# Altium PCB final.PcbDoc (part 2 of 2)
Units mil, origin at the board's own origin, x right, y up, seen from the top; angles counter-clockwise.
Board outline 8270 x 3385 mil, 2 copper layers (Top Layer, Bottom Layer); 240 components, 0 nets, 857 pads, 97 vias.
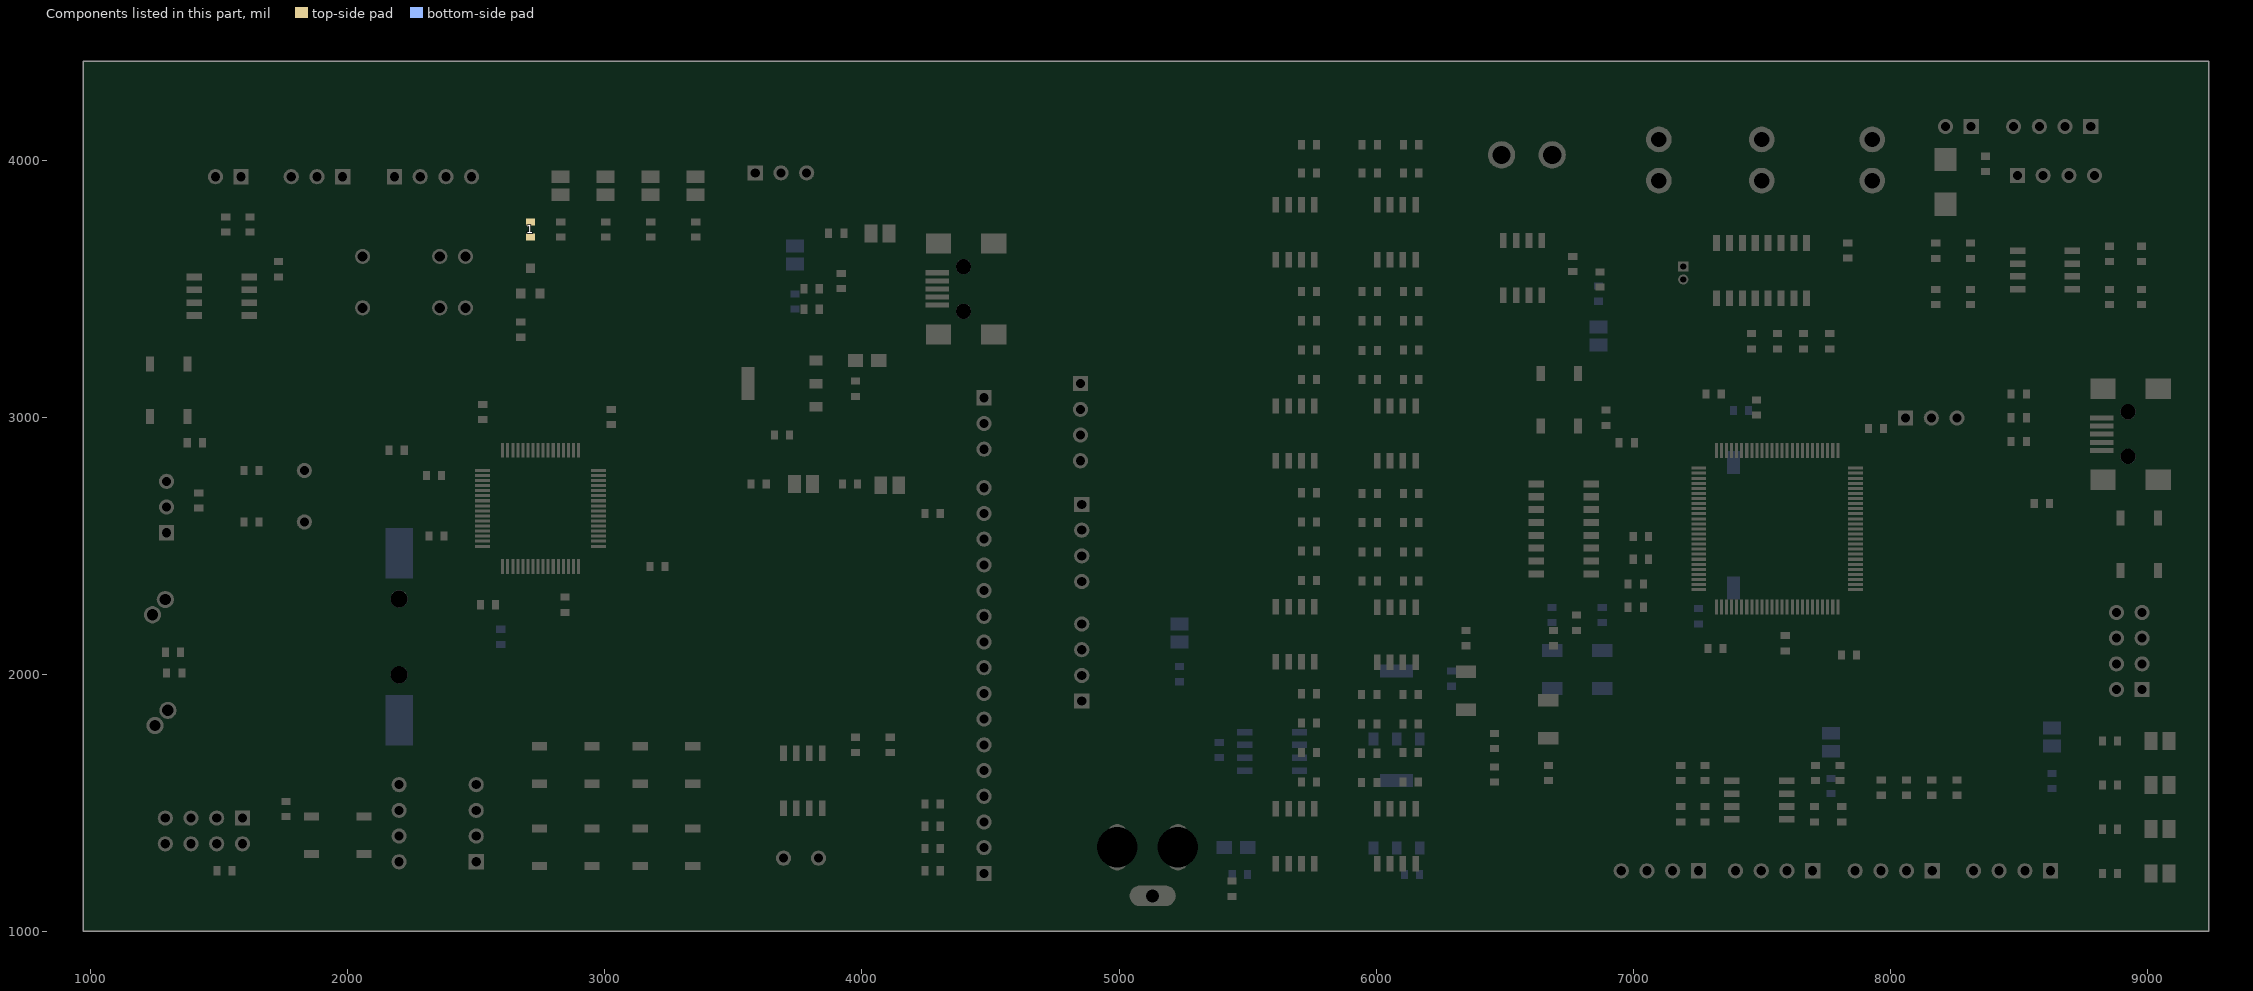
[diagram p2: the components of this part, seen from the top]

## Via types
v1: diameter 35, hole 20, Top Layer to Bottom Layer, 48 vias
v2: diameter 40, hole 20, Top Layer to Bottom Layer, 30 vias
v3: diameter 35.43, hole 19.68, Top Layer to Bottom Layer, 16 vias
v4: diameter 43.31, hole 19.68, Top Layer to Bottom Layer, 2 vias
v5: diameter 45, hole 19.68, Top Layer to Bottom Layer, 1 vias

## Nets (pads, with @x,y where several pads share a name; then routed paths per layer and width w, separated by ;. In a path a pad name is that pad's centre, name@x,y a point inside that pad or via, vN(x,y) a via of type N, cw(c..) or ccw(c..) an arc to the next point about the centre after c; other vN are vias at no path point) (continued)
copper on no net: | length 297019.5
  Top Layer w10: 1170,1800 1250,1800 1245,1805 1245,2225.94 1240,2230.94 1239.06,2230 1170,2230 ; 1170,3000 1172.11,3002.11 1230.65,3002.11 ; 1170,3210 1173.17,3206.83 1230.65,3206.83 1230.65,3002.11 ; 1170,3395 1403.23,3395 ; 1170,3550 1175,3545 1403.23,3545 1403.23,3495 1403.23,3445 1403.23,3395 ; 1290,1340 1340,1390 1340,1514.61 2322.75,2497.36 2524.09,2497.36 ; 1290.47,2005 1295.24,2000.24 1295.24,1863.82 1300,1859.06 ; 1290.47,2085 1290.24,2085.24 1290.24,2289.76 1290,2290 1956.16,2290 2301.32,2635.16 2524.09,2635.16 ; 1295,2550 1230.65,2614.35 1230.65,3002.11 ; 1295,2650 1297.26,2647.74 1417.74,2647.74 1420,2645.47 1423.94,2645.47 1584.41,2485 2115,2485 2284.84,2654.84 2524.09,2654.84 ; 1349.53,2085 1349.53,2086.22 v2(1603.78,2086.22) ; 1354.53,2005 1704.53,2005 2315,2615.47 2524.09,2615.47 ; 1375.47,2900 1375.47,3001.26 1376.32,3002.11 1376.32,3206.83 ; 1380.47,3002.11 1467.89,3002.11 1520,2950 1520,2585 1600,2505 2076.79,2505 2246.32,2674.53 2524.09,2674.53 ; 1390,1440 1445,1385 1695.59,1385 1756.06,1445.47 1760,1445.47 1760.85,1446.32 1858.17,1446.32 2062.89,1446.32 ; 1420,2704.53 1420,2800.47 1434.53,2815 1434.53,2900 1434.53,2903.94 1470.59,2940 v2(1475,2940) ; 1490,1340 1490.24,1339.76 1490.24,1235.24 1490.47,1235 ; 1490,1440 1490.24,1439.76 ; 1525,3719.42 1525,3430 1560,3395 1616.77,3395 1750,3395 2055,3090 2609.53,3090 2700.79,2998.74 2700.79,2870.91 ; 1525,3778.48 1620,3778.48 1623.94,3778.48 1685,3717.41 1685,3545 ; v2(1575,2695) 1640,2695 1645,2700 ; 1585,3935 1570,3935 1470,3835 1470,3405 1825.47,3049.53 2525,3049.53 2565.47,3049.53 2644.53,2970.47 2681.1,2933.9 2681.1,2870.91 ; 1590,1440 1590,1520 2489.09,2419.09 2602.36,2419.09 ; 1595.47,2592.05 1595.47,2595.98 1645,2645.51 1645,2700 ; 1595.47,2792.05 1595.47,2788.11 1645,2738.58 1645,2700 ; v2(1615,3610) 1615,3546.77 1616.77,3545 1685,3545 ; 1620,3719.42 1616.06,3719.42 1555,3658.36 1555,3489.55 1599.55,3445 1616.77,3445 1745,3445 2070,3120 2605,3120 2720.47,3004.53 2720.47,2870.91 ; 1654.53,2590 1656.57,2592.05 1830.91,2592.05 1997.05,2592.05 2099.21,2694.21 2524.09,2694.21 ; 1654.53,2792.05 1830.91,2792.05 2017.48,2792.05 2095.63,2713.9 2524.09,2713.9 ; 1730,3549.69 1725.31,3545 1685,3545 ; 1730,3550.47 1735.47,3545 ; 1760,1504.53 1760.24,1504.76 1829.76,1504.76 v2(1830,1505) ; 1780,3935 1780,3788.36 1825,3743.36 1825,3405 2080,3150 2605.25,3150 2740.16,3015.1 2740.16,2870.91 ; 1858.17,1300.65 2062.89,1300.65 2062.89,1142.11 2065,1140 ; 1875,3935 1875,3400 2095,3180 2600.53,3180 2759.84,3020.69 2759.84,2870.91 ; 1980,3935 1980,3705 1925,3650 1925,3396.83 2115,3206.83 2603.64,3206.83 2779.53,3030.94 2779.53,2870.91 ; 2057.72,3425 2220,3587.28 2220,3873.33 2281.67,3935 ; 2057.72,3625 2181.67,3748.95 2181.67,3935 ; 2199.53,1270 2199.53,1370 ; 2219.53,2875 2223.53,2871 2602.27,2871 2602.36,2870.91 2602.36,2762.64 v2(2725,2640) 2641.42,2556.42 ; v2(2301.32,2830) 2410,2830 2447.36,2792.64 2524.09,2792.64 ; 2305.47,2772.95 2203.71,2772.95 2160.47,2816.19 2160.47,2871 2160.47,2933.43 2160,2933.9 ; 2315.47,2536.73 2315.47,2540.67 2350.91,2576.1 2524.09,2576.1 2586.1,2576.1 v2(2635,2625) ; 2357.72,3625 2403.5,3579.21 2710,3579.21 2710,3700.47 ; 2364.53,2770.24 2367.24,2772.95 2524.09,2772.95 ; 2374.53,2536.73 2430,2536.73 2449.68,2556.42 2524.09,2556.42 2641.42,2556.42 ; 2381.67,3935 2270,3823.33 2270,3612.72 2457.72,3425 2470,3425 ; 2457.72,3625 2457.72,3897.78 2481.67,3921.73 2481.67,3935 ; 2499.53,1270 2375,1394.53 2375,1990 2661.42,2276.42 2661.42,2419.09 ; 2499.53,1370 2405,1464.53 2405,1980 2681.1,2256.1 2681.1,2419.09 ; 2499.53,1470 2435,1534.53 2435,1970 2700.79,2235.79 2700.79,2419.09 ; 2499.53,1570 2499.53,1996.81 2720.47,2217.76 2720.47,2419.09 ; 2515.47,2270 2515.47,2273.94 2622.05,2380.51 2622.05,2419.09 2622.05,2484.83 2605,2501.88 v2(2605,2510) ; 2525,2990.47 2525,2933.9 ; 2574.53,2270 2574.53,2273.94 2641.73,2341.14 2641.73,2419.09 2641.42,2419.41 2641.42,2556.42 ; 2622.05,2870.91 2622.05,2915.58 2603.73,2933.9 2525,2933.9 ; 2672.6,3310.47 2676.54,3310.47 2685.31,3301.69 2685.31,3297.76 2799.21,3183.86 2799.21,2870.91 ; 2672.6,3369.53 2672.6,3480.79 ; 2710,3759.53 2715,3764.53 2710,3769.53 v2(2710,3860) ; 2740.16,2419.09 2740.16,2150.16 2650,2060 2650,1335.34 2731.66,1253.68 2745.44,1253.68 2950.17,1253.68 ; 2745.44,1399.35 2950.17,1399.35 3040,1399.35 ; 2745.44,1719.35 2950.17,1719.35 ; 2747.4,3480.79 2750,3478.19 v2(2750,3375) ; 2759.84,2419.09 2760,2418.94 2760,2130 2670.34,2040.34 2670.34,1635 2731.66,1573.68 2745.44,1573.68 2950.17,1573.68 ; v2(2775,2510) 2847.95,2510 2877.95,2480 2877.95,2419.09 2877.95,2382.94 2890.9,2370 3189.53,2370 3234.53,2415 3234.53,2418.94 ; 2779.53,2419.09 2779.53,2195.47 2855,2120 3055,2120 3415,1760 3415,1632.9 3355.78,1573.68 3342,1573.68 3137.28,1573.68 ; 2799.21,2419.09 2799.21,2214.74 2853.95,2160 3100,2160 3460,1800 3460,1357.9 3355.78,1253.68 3342,1253.68 3137.28,1253.68 ; 2818.9,2419.09 2818.9,2354.44 2845,2328.33 2845,2299.53 ; 2818.9,2870.91 2818.9,3576.22 2827.68,3585 2827.68,3700.47 2828.33,3700.47 ; 2828.33,3759.53 2828.33,3865 ; 2838.58,2419.09 2838.58,2371.42 2880,2330 3225,2330 3795,1760 3795,1691.77 3795,1674.55 3839.55,1630 4040.59,1630 4106.06,1695.47 4110,1695.47 ; 2838.58,2870.91 2838.58,3535.72 2990.62,3687.76 2990.62,3691.69 2999.4,3700.47 3003.33,3700.47 ; 2858.27,2419.09 2858.27,2380 2860.08,2378.19 2860.08,2375.54 2885.62,2350 3255,2350 3845,1760 3845,1691.77 3848.7,1695.47 3974.92,1695.47 ; 2858.27,2870.91 2858.27,3380.41 3165.62,3687.76 3165.62,3691.69 3174.4,3700.47 3178.33,3700.47 ; 2877.95,2870.91 2877.95,3225.09 3340.62,3687.76 3340.62,3691.69 3349.4,3700.47 3353.33,3700.47 ; 2897.64,2870.91 2897.64,2983.11 3585,3670.47 3585,3950 ; v2(2910,2590) 2910,2743.27 2939.69,2772.95 2975.91,2772.95 3015.33,2772.95 3025,2782.63 3025,2970.47 ; v2@2950,2035 v2(2950.17,2034.83) 2950.17,1719.35 ; 2975.91,2497.36 3502.64,2497.36 4475,1525 ; 2975.91,2517.05 3672.95,2517.05 4465,1725 4475,1725 ; 2975.91,2536.73 3683.24,2536.73 4394.98,1825 4475,1825 ; 2975.91,2556.42 3688.84,2556.42 4020.25,2225 4475,2225 ; 2975.91,2576.1 3698.62,2576.1 3949.72,2325 4475,2325 ; 2975.91,2595.79 3704.21,2595.79 3875,2425 4475,2425 ; 2975.91,2615.47 3714.53,2615.47 3805,2525 4475,2525 ; 2975.91,2674.53 3084.53,2674.53 3245,2835 3925,2835 ; 2975.91,2694.21 3069.49,2694.21 3245.28,2870 4270,2870 4475,3075 ; 2975.91,2713.9 2976.81,2714.8 3064.8,2714.8 3126,2776 3126,2916 3629.53,3419.53 3775,3419.53 ; 2975.91,2733.58 2976.81,2734.49 3051.22,2734.49 3108.13,2791.39 3108.13,2933.6 3673.66,3499.13 3775,3499.13 ; 2975.91,2753.27 3043.27,2753.27 3085,2795 3085,2955 3685,3555 3685,3950 ; 3003.33,3759.53 3003.33,3865 ; 3025,3029.53 3021.06,3029.53 2975.91,2984.37 2975.91,2792.64 2927.64,2792.64 v2(2775,2640) 2897.64,2517.36 2897.64,2419.09 3169.57,2419.09 3175.47,2425 ; v2(3040,1665) 3040,1399.35 ; 3178.33,3759.53 3178.33,3865 ; 3342,1399.35 3137.28,1399.35 3040,1399.35 ; 3342,1719.35 3137.28,1719.35 2950.17,1719.35 ; 3353.33,3759.53 3353.33,3865 ; v2(3390,2740) 3558.92,2740 ; 3627.74,2739.76 3738.21,2739.76 ; 3659.31,2930 3660,2930.69 3660,2988.56 3556.95,3091.61 3556.95,3130 3556.95,3231.95 3650.47,3325.47 v2(3834.53,3325.47) ; 3695,1478.23 3695.08,1478.15 3695.08,1284.09 3695.16,1284.02 ; 3695,1691.77 3695,1674.55 3769.55,1600 v2(3770,1600) ; 3718.37,2930 3718.37,3005 3753.21,3039.84 3820.73,3039.84 ; 3745,1478.23 3745,1370 3830.98,1284.02 ; v2(3795,1395) 3795,1478.23 ; 3808.21,2739.76 3923.68,2739.76 3923.68,2833.68 3925,2835 ; 3834.06,3419.53 3944.53,3419.53 3991.89,3466.89 4292.64,3466.89 ; 3834.06,3499.13 3834.8,3498.39 4292.64,3498.39 ; v2(3834.53,3558.58) 3919.06,3558.58 3919.53,3559.06 3919.53,3615 3870.47,3664.05 3870.47,3715 ; 3929.53,3720 3934.53,3715 4035,3715 ; 3974.92,3080.47 3974.92,3039.92 3975,3039.84 ; 3974.92,3139.53 3974.92,3219.92 3975,3220 ; v2(3975,1865) 3975,1764.45 3970,1759.45 3974.92,1754.53 4110,1754.53 ; 3982.74,2739.76 4068.21,2739.76 4073.21,2734.76 ; 4000,1140 4000,1306 3845,1461 3845,1478.23 3845,1495.45 3939.55,1590 4213.46,1590 4304.53,1498.94 4304.53,1495 ; 4105,3715 4179.06,3715 4218.5,3675.55 4297.56,3675.55 ; 4144.59,2736.14 4143.21,2734.76 4273.21,2734.76 4413.44,2875 4475,2875 ; v2(4205,2625) 4245.47,2625 ; 4245,1140 4245.47,1140.47 4245.47,1235 4245.47,1321.67 ; 4245.47,1420 4245.47,1450 ; 4245.47,1495 4245.47,1450 ; 4304.53,1235 4304.53,1321.67 ; 4304.53,1408.33 4304.53,1321.67 ; 4304.53,2625 4475,2625 ; 4475,1325 4307.86,1325 4304.53,1321.67 ; 4475,1425 4385,1425 4360,1450 4245.47,1450 ; 4475,2975 4335,2835 3925,2835 ; 4850,2830 5087.94,2592.06 5709.53,2592.06 ; 4850,2930 5015,2930 5345.58,3260.58 5709.53,3260.58 ; 4850,3030 5085,3030 5429.51,3374.51 5709.53,3374.51 ; 4850,3130 4850,3270 5639.34,4059.34 5709.53,4059.34 ; 4855,2460 4948.42,2460 5709.53,1698.89 5709.53,1694.96 ; 4855,2560 4932.37,2560 5104.66,2387.71 5135,2387.71 5709.53,1813.18 5709.53,1809.25 ; 4855,2660 4875.94,2660 5057.45,2478.5 5709.53,2478.5 ; 4993.07,1326.5 4993.07,1375.71 5198.03,1580.67 5709.53,1580.67 ; 5610,2048.23 5610,2031 5656,1985 5740,1985 5768.58,1956.42 5768.58,1923.54 5768.58,1809.25 ; 5610,2829.58 5610,2812.36 5662.36,2760 5745,2760 5766.66,2738.34 5766.66,2707.54 5768.58,2705.62 5768.58,2592.06 ; 5610,3612.76 5617.26,3605.49 5617.26,3587.74 5670,3535 5725.95,3535 5768.58,3492.37 5768.58,3488.43 5768.58,3374.51 ; 5660,1476.77 5660,1494 5701.89,1535.89 5750,1535.89 5768.58,1554.47 5768.58,1582.7 5768.58,1699.02 ; 5660,2048.23 5710,2048.23 5710,2065.45 5759.55,2115 5870,2115 5944.05,2040.95 5944.05,1920.17 ; 5660,2261.77 5660,2279 5701,2320 5750,2320 5767.22,2337.22 5767.22,2363.57 5768.58,2364.94 5768.58,2478.5 ; 5660,2829.58 5710,2829.58 5710,2849.65 5755.35,2895 5850,2895 5945.95,2799.05 5945.95,2703.35 ; 5660,3043.12 5660,3060.35 5699.65,3100 5754.14,3100 5768.08,3113.94 5768.08,3146.15 5768.58,3146.65 5768.58,3260.58 ; 5660,3612.76 5710,3612.76 5710,3629.98 5744.55,3664.53 5840.47,3664.53 5945.95,3559.05 5945.95,3488.43 ; 5660,3826.3 5660,3843.52 5706.48,3890 5752.13,3890 5768.58,3906.45 5768.58,3950 5768.58,4059.34 ; 5709.53,1923.54 5636.46,1923.54 5400,2160 5400,2364.94 5709.53,2364.94 ; 5710,1476.77 5760,1476.77 5842.07,1476.77 5944.05,1578.76 5944.05,1582.7 ; 5710,2261.77 5760,2261.77 5850.08,2261.77 5945.95,2357.63 5945.95,2361.57 ; 5710,3043.12 5760,3043.12 5842.42,3043.12 5933.23,3133.94 5937.17,3133.94 5945.95,3142.72 5945.95,3146.65 ; 5710,3826.3 5760,3826.3 5822.24,3826.3 5933.23,3937.28 5937.17,3937.28 5945.95,3946.06 5945.95,3950 ; 6003.11,1692.32 6003.11,1578.39 6003.11,1571.89 6054.05,1520.95 6054.05,1476.77 ; 6003.11,1806.25 6003.11,1920.17 6003.58,1920.65 6003.58,2045.93 6004.05,2046.4 ; 6004.05,2829.58 6004.53,2829.11 6004.53,2589.9 6005,2589.42 ; 6004.05,3612.76 6004.53,3612.28 6004.53,3374.98 6005,3374.51 ; 6005,2475.5 6005,2361.57 6005,2357.63 6054.05,2308.58 6054.05,2259.95 ; 6005,3259.16 6005,3146.65 6005,3142.72 6054.05,3093.66 6054.05,3043.12 ; 6005,4059.34 6005,3950 6005,3946.06 6054.05,3897.01 6054.05,3826.3 ; 6054.05,2046.4 6054.05,1974.95 6105,1924 6105,1920.06 6105,1806.5 ; 6054.05,2829.58 6054.05,2760.12 6106.89,2707.29 6106.89,2703.35 6106.89,2589.42 ; 6054.05,3612.76 6054.05,3541.27 6106.89,3488.43 6106.89,3374.51 ; 6104.05,1476.77 6104.53,1477.24 6104.53,1582.22 6105,1582.7 6105,1699.02 ; 6104.05,2259.95 6105.47,2261.37 6105.47,2474.08 6106.89,2475.5 ; 6104.05,3043.12 6105.47,3044.54 6105.47,3259.16 6106.89,3260.58 ; 6104.05,3826.3 6105.47,3827.72 6105.47,3948.58 6106.89,3950 6106.89,4059.34 ; 6104.53,2045.93 6104.05,2046.4 ; 6105.47,2828.16 6104.05,2829.58 ; 6154.05,1476.77 6154.05,1540 6164.05,1550 6164.05,1580.67 ; 6154.05,3826.3 6155,3827.24 ; 6164.05,1582.7 6164.05,1580.67 ; 6164.53,1919.59 6164.05,1920.06 6164.05,1924 6104.05,1984 6104.05,2046.4 ; 6165.95,2361.57 6165.95,2320 6154.05,2308.11 6154.05,2259.95 6225.93,2259.95 6605.98,2640 6622.72,2640 ; 6165.95,2475.5 6165.95,2589.42 6166.52,2590 v1(6360,2590) ; 6165.95,3146.65 6164.05,3144.76 6164.05,3100 6154.05,3090 6154.05,3043.12 6302.86,3043.12 6605.98,2740 6622.72,2740 ; 6165.95,3260.58 6234.42,3260.58 6235,3260 ; 6165.95,3370.57 6235,3301.51 6235,3260 ; 6165.95,3488.43 6165.95,3492.37 6104.05,3554.26 6104.05,3612.76 6104.05,3629.98 6159.07,3685 6285,3685 6342.13,3627.87 6342.13,3105.83 6735,2712.96 6735,2625.55 6820.55,2540 6837.28,2540 ; 6165.95,3950 6165.95,3905.95 6155,3895 6155,3827.24 ; 6167.36,2701.93 6165.95,2703.35 6165.95,2707.29 6104.05,2769.18 6104.05,2829.58 ; 6350,2169.53 6554,2169.53 6570,2169.53 ; v1(6354.96,1694.96) 6429.53,1769.53 6460,1769.53 ; v1(6360,3045) 6235,3170 6235,3260 ; 6460,1580.47 6164.25,1580.47 6164.05,1580.67 ; 6460,1710.47 6460,1639.53 6560,1639.53 6614.06,1585.47 6670,1585.47 6720.47,1585.47 7040,1905 7040,1955 7323.78,2238.78 7323.78,2260.35 ; v1(6495,2030) 6690,2030 ; 6545,3473.23 6545,3490.45 6679.07,3624.53 6765,3624.53 ; 6550,2390 6554,2386 ; 6569.53,2170 6570,2169.53 ; 6595,3473.23 6595,3456 6570,3431 6570,2966.57 6663.7,2872.87 6804.29,2872.87 7171.22,2505.94 7255.35,2505.94 ; 6622.72,2390 6622.72,2440 ; 6622.72,2540 6545,2540 6104.05,2099.05 6104.05,2046.4 ; 6622.72,2590 6639.45,2590 6778.78,2450.67 6778.78,2229.53 6780,2229.53 6779.53,2230 ; 6622.72,2690 6605.98,2690 6365.98,2930 6187.25,2930 6104.05,2846.8 6104.05,2829.58 ; 6640.55,2965 6640.55,3169.72 ; 6690,2110.47 6690,2030 ; 6765,3565.47 6869.66,3565.47 6870.6,3564.53 6870.6,3565 6870.47,3565 6870,3565.47 ; 6786.22,3169.72 6786.22,2965 6789.19,2967.97 6895,2967.97 ; 6792.5,2947.5 7194.69,2545.32 7255.35,2545.32 ; 6837.28,2390 6842.28,2395 6847.28,2390 v3(6905,2390) ; 6837.28,2440 6842.28,2445 6847.28,2440 v3(6905,2440) ; 6837.28,2490 v3(6905,2490) ; 6837.28,2590 6820.55,2590 6760,2650.55 6760,2713.23 6360,3113.23 6360,3775 6307.28,3827.72 6155.47,3827.72 6155,3827.24 ; 6837.28,2640 6854.02,2640 6955,2539.02 6955,2379.41 6980.47,2353.94 6980.47,2350 ; 6837.28,2690 6908.46,2690 7059.53,2538.94 7059.53,2535 ; 6895,3027.03 6895,3075 v1(6950,3130) ; 6945.47,2900 6945.47,2819.53 7160.63,2604.37 7255.35,2604.37 7545.63,2604.37 v1(7695,2455) ; 7000.47,2445 7000.47,2442.95 7053.43,2390 7185,2390 7206.85,2368.15 7255.35,2368.15 ; 7000.47,2446.89 7000.47,2535 ; 7004.53,2900 7004.53,2787.84 7168.32,2624.06 7255.35,2624.06 7434.06,2624.06 v1(7450,2640) ; 7059.53,2445 7061.42,2446.89 7255.35,2446.89 7581.89,2446.89 ; v3(7090,1605) 7090,1516.54 7181.06,1425.47 7185,1425.47 ; 7100,3919.84 7345.16,3919.84 7475,3790 7475,3677.28 ; v3(7130,2350) 7131.54,2348.46 7255.35,2348.46 ; v3(7131.54,2846.77) 7131.54,2793.74 7183.11,2742.17 7255.35,2742.17 ; v3(7145,2911.66) 7168.32,2888.34 7168.32,2788.22 7194.69,2761.85 7255.35,2761.85 ; 7185,1484.53 7279.53,1484.53 7283.46,1484.53 7333.94,1535 7383.23,1535 ; 7185,1585.47 7185.24,1585.24 7382.99,1585.24 7383.23,1585 ; 7185,1644.53 7185,1821.77 7383.23,2020 7383.23,2259.96 7382.83,2260.35 ; v3(7186.54,2975) 7186.54,2803.46 7208.46,2781.54 7255.35,2781.54 ; 7195,3535 7195,3338.61 7045,3188.61 7045,2770 7171.26,2643.74 7255.35,2643.74 ; 7255.35,2328.78 7233.78,2328.78 7074.53,2169.53 6780,2169.53 6740,2169.53 6700,2169.53 6685,2169.53 6660,2169.53 6570,2169.53 ; 7255.35,2387.83 7255.35,2407.52 7363.15,2407.52 ; 7255.35,2427.2 7562.2,2427.2 7581.89,2446.89 ; 7255.35,2486.26 7157.97,2486.26 6789.23,2855 6650,2855 6385,3120 6385,4105 6495,4215 8230,4215 8315,4130 ; 7255.35,2525.63 7179.37,2525.63 6805,2900 6760,2900 6720,2940 6720,3210 6825,3315 6925,3315 7195,3585 7200,3580 7494.45,3580 7575,3660.55 7575,3677.28 ; 7255.35,2565 7256.26,2564.09 7299.05,2564.09 7338.14,2525 v1(7440,2525) ; 7255.35,2584.68 7320.31,2584.68 7345,2560 v1@7375,2560 ; 7255.35,2663.43 7181.57,2663.43 7065,2780 7065,3185.98 7325,3445.98 7325,3462.72 ; 7255.35,2683.11 7187.17,2683.11 7083.07,2787.21 7083.07,3154.06 7375,3445.98 7375,3462.72 ; 7255.35,2702.8 7323.22,2702.8 7323.78,2703.35 ; 7255.35,2722.48 7177.52,2722.48 7100.94,2799.06 7100.94,3121.93 7425,3445.98 7425,3462.72 ; 7275.59,1425.47 7279.53,1425.47 7279.29,1425.24 7279.53,1425 7306,1425 7366,1485 7383.23,1485 ; 7275.59,1644.53 7279.53,1644.53 7279.53,1764.53 7370,1855 v3(7475,1855) ; 7283.76,3090 7283.76,3021.24 7323.78,2981.22 7323.78,2869.65 7323.78,2703.35 ; 7290.47,2100 7290.47,2150.47 7343.46,2203.46 7343.46,2260.35 7342.81,2261 7344.23,2262.42 7344.23,2300.77 7330,2315 7309.97,2315 7024.97,2030 6690,2030 ; 7342.81,3090 7343.14,3089.68 7343.14,2869.97 7343.46,2869.65 7343.46,2785 7403.46,2725 v1(7535,2725) ; 7349.53,2100 7349.53,2150 7363.15,2163.62 7363.15,2260.35 7363.15,2407.52 ; 7382.99,1484.76 7383.23,1485 ; 7398.43,1235 7498.43,1235 7498.43,1387.03 7400.45,1485 7383.23,1485 ; 7402.52,2260.35 7402.52,2016.71 7710,1709.23 7710,1644.53 ; 7402.52,2869.65 7402.52,3085.17 7464,3146.65 7755.37,3146.65 7896.36,3287.65 7896.36,3399.6 8173.27,3676.51 8177.2,3676.51 ; 7422.2,2869.65 7422.2,3079.58 7461.63,3119 7757.35,3119 7858.35,3220 7960,3220 7960,3220.25 8177.2,3437.45 ; 7441.89,2869.65 7441.89,2969.92 7467.28,2995.31 7467.28,2999.25 7476.06,3008.03 7480,3008.03 ; 7460,3265.47 7561.67,3265.47 7663.33,3265.47 7765,3265.47 7805.47,3265.47 7835,3295 7835,3610.47 7830,3615.47 ; 7460,3324.53 7460,3385 7475,3400 7475,3462.72 ; 7461.57,2869.65 7461.57,2921.57 7530.47,2990.47 7660.47,2990.47 7855,3185 8240,3185 8492.45,3437.45 8853.15,3437.45 ; 7480,3067.09 v3(7610,3067.09) ; 7481.26,2869.65 7481.26,2911.66 7534.6,2965 7673.33,2965 7828.33,3120 8220,3120 8345,3245 8925,3245 9060,3380 9060,3626.32 9021.79,3664.53 8977.2,3664.53 ; 7500,3919.84 7500,3895.48 7525,3870.48 7525,3677.28 ; v3(7500.94,2020) 7501,2020.06 7501,2260.3 7500.94,2260.35 ; 7520.63,2260.35 7520.63,2079.37 7555,2045 v3(7555,1935) ; 7525,3462.72 7525,3445.98 7561.67,3409.32 7561.67,3324.53 ; 7540.31,2260.35 7540.31,2194.53 7577.6,2157.24 ; 7575,3462.72 7577.67,3460.05 7577.67,3442.33 7663.33,3356.67 7663.33,3324.53 ; 7586.38,2144.53 7590.32,2144.53 ; 7591.89,2090.47 7595.83,2090.47 7656.52,2029.78 7665.22,2029.78 v1(7670,2025) ; 7591.89,2149.53 7592.2,2149.84 ; 7596.77,1485 7597.01,1484.76 7811.3,1484.76 7811.54,1484.53 ; 7596.77,1535 7655.59,1535 7706.06,1585.47 7710,1585.47 7805,1585.47 ; v1(7610,2475) 7581.89,2446.89 ; 7625,3462.72 7625,3445.98 7700.98,3370 7745,3370 7765,3350 7765,3324.53 ; 7625,3677.28 7625,3775 7769.84,3919.84 7930,3919.84 ; 7675,3660.55 7675,3677.28 7835,3677.28 ; 7698.43,1235 7598.43,1235 7598.43,1433.35 7596.77,1435 7648.9,1435 7658.43,1425.47 7705,1425.47 ; 7737.17,2260.35 7737.17,1972.82 7805,1904.99 7805,1644.53 ; v1(7755,2725) 7811.54,2781.54 7864.65,2781.54 7901.06,2781.54 7974.53,2855 7974.53,2955 ; 7756.85,2260.35 7756.85,1998.15 7864.65,1890.35 7864.65,1474.65 7815.47,1425.47 7811.54,1425.47 ; 7776.54,2260.35 7776.54,2198.46 v1(7810,2165) v1@7810.24,2164.76 ; 7776.54,2869.65 7776.54,2960 7906.54,3090 8470.47,3090 ; 7796.22,2869.65 7796.22,2930 7862.6,2996.38 8060,2996.38 ; 7810.47,2075 7810.24,2075.24 v1@7810.24,2164.76 ; 7812.74,2077.74 7815.47,2075 ; v1@7812.74,2162.26 v1@7810.24,2164.76 ; 7863.74,1235 7905,1276.26 7905,1551.08 7941.85,1587.92 7965,1587.92 8063.33,1587.92 8161.67,1587.92 8260,1587.92 ; 7864.65,2407.52 7904.75,2407.52 8323.74,1988.53 8323.74,1530 ; 7864.65,2427.2 7865.55,2426.3 7918.37,2426.3 8423.74,1920.93 8423.74,1235 8367.36,1178.62 8306.38,1178.62 8270,1215 8270,1424.47 8165.6,1528.87 8161.67,1528.87 ; 7864.65,2446.89 7923.06,2446.89 8523.74,1846.21 8523.74,1235 8449.49,1160.75 8294.25,1160.75 8240,1215 8240,1356.14 8067.27,1528.87 8063.33,1528.87 ; 7864.65,2466.57 7864.9,2466.32 7938.68,2466.32 8623.74,1781.26 8623.74,1235 8531.61,1142.87 8282.13,1142.87 8215,1210 8215,1278.87 7965,1528.87 ; 7864.65,2525.63 7919.37,2525.63 8645,1800 8645,1409.41 8825.47,1228.94 8825.47,1225 ; 7864.65,2545.32 7954.69,2545.32 8665,1835 8665,1561.08 8825.47,1400.6 8825.47,1396.67 ; 7864.65,2565 7985,2565 8690,1860 8690,1707.74 8825.47,1572.27 8825.47,1568.33 ; 7864.65,2584.68 8020.31,2584.68 8708.98,1896.02 8708.98,1768.02 8737,1740 8825.47,1740 ; 7864.65,2663.43 8206.57,2663.43 8630,2240 8880,2240 ; 7864.65,2683.11 8291.89,2683.11 8660,2315 8885,2315 8930,2270 8930,1990 8980,1940 ; 7864.65,2702.8 7967.8,2702.8 8170,2905 8470.47,2905 ; 7864.65,2722.48 7957.48,2722.48 8175,2940 8416.91,2940 8470.47,2993.56 8470.47,2997.5 ; 7864.65,2742.17 7905.79,2742.17 8160,2996.38 ; 7869.53,2075 7869.53,2233.09 7842.27,2260.35 7796.22,2260.35 7796.22,2353.78 v1(7695,2455) ; 7915.47,2955 7915.47,2951.06 7864.65,2900.24 7864.65,2801.22 7761.22,2801.22 7695,2735 7695,2675 ; v1(8160,2760) 8467.83,2760 8560.47,2667.36 8560.47,2663.43 ; 8163.74,1235 8163.74,1166.26 8205,1125 8995,1125 9085,1215 9085,1225 9085,1396.67 9085,1568.33 9085,1740 ; 8177.2,3496.51 8312.2,3496.51 8427.74,3496.51 8478.21,3546.98 8495.43,3546.98 ; 8177.2,3617.45 8312.2,3617.45 8397.55,3617.45 8415,3600 8492.41,3600 8495.43,3596.98 ; 8260,1528.87 8322.61,1528.87 8323.74,1530 ; v1(8260,3385) 8260,3389.18 8308.27,3437.45 8312.2,3437.45 ; 8312.2,3676.51 8448.68,3676.51 8478.21,3646.98 8495.43,3646.98 8495,3647.41 8495,3940 8595,3940 ; 8323.74,1235 8323.74,1530 ; 8529.53,2905 8532.64,2901.89 8822.64,2901.89 ; 8529.53,3090 8529.53,2997.5 8585,2997.5 8649.11,2933.39 8822.64,2933.39 ; 8619.53,2663.43 8999.46,2663.43 9041.32,2621.56 9041.32,2607.78 9041.32,2403.06 9041.32,2389.28 9105,2325.6 9105,2265 ; 8695,3940 8795,3940 8852.91,3882.09 8852.91,3664.53 8852.44,3665 8794.22,3665 8726.2,3596.98 8708.98,3596.98 ; 8708.98,3496.98 8709.21,3496.74 8852.91,3496.74 8853.15,3496.51 8977.2,3496.51 ; 8708.98,3546.98 8790.48,3546.98 8848.98,3605.47 8852.91,3605.47 8977.2,3605.47 ; 8822.64,3105.63 8827.56,3110.55 ; 8884.53,1225 9015,1225 ; 8884.53,1396.67 9015,1396.67 ; 8884.53,1568.33 9015,1568.33 ; 8884.53,1740 9015,1740 ; 8895.65,2403.05 8895.65,2509.35 ; 8895.65,2607.78 8895.65,2509.35 ; v1(8965,2505) 8900,2505 8895.65,2509.35 ; 8980,2140 9105,2265 ; 9105,2270 9105,2265 ; 1403.23,3395 1420,3395 1881.1,2933.9 2160,2933.9 ; 2160,2933.9 2525,2933.9 ; 3558.92,2740 3568.44,2740 3568.68,2739.76 3563.92,2735 3558.92,2740 ; 7323.78,2703.35 7352.13,2675 7695,2675 ; 7363.15,2407.52 7647.52,2407.52 v1(7695,2455) ; v1(7695,2455) 7695,2675
  Top Layer w15: 1616.77,3495 1755,3495 1780,3520 1780,3562.68 1733.94,3608.74 ; v2(2635,3880) 2635,4020 ; 5130.87,1137.52 5132.91,1135.47 5440,1135.47 ; 5709.53,2705.62 5707.61,2707.54 5565,2707.54 5480,2792.54 v1(5480,2985) 5480,3042.72 5583.94,3146.65 5709.53,3146.65 ; 5709.53,3488.43 5707.51,3490.45 5585,3490.45 5475,3600.45 v1(5475,3725) 5475,3841.06 5583.94,3950 5709.53,3950 ; 6154.05,2046.4 6154.05,2063.63 6220,2129.57 v1(6220,2165) ; 6164.05,1806.5 6164.05,1694.96 v1(6354.96,1694.96) ; 6165.95,4059.34 6166.65,4060.05 6166.65,4169.29 v1(6167.36,4170) ; 6350,1861.18 6491.18,1861.18 ; 6350,2008.82 6350,2110.47 ; v1(6495,2030) 6495,1865 6491.18,1861.18 ; v1(6645,3345) 6645,3473.23 ; 6647.5,3470.73 6648.23,3470 6831.19,3470 6866.66,3505.47 6870.6,3505.47 ; 6670,1644.53 6670,1751.18 ; 6670,1898.82 6655.24,1898.82 6617.6,1861.18 6491.18,1861.18 ; v3(6778.78,2780) 6818.78,2740 6837.28,2740 ; v3(6980,2203.46) 6980.24,2203.7 6980.24,2259.76 6980.47,2260 ; 7039.53,2260 7039.53,2350 v3(7130,2350) ; v1(7458.75,3183.75) 7460,3185 7460,3265.47 ; 7675,3462.72 v1(7675,3530) ; v1(8020,3647.41) 8102.59,3730 8285,3730 8370,3815 8370,3955.47 ; 8215,4001.61 8215,4130 ; 8315,4130 8370,4075 8370,4014.53 ; v1(8920,3340) 8920,3422.35 8935.1,3437.45 8977.2,3437.45
  Top Layer w20: 1549.53,1235 1549.76,1235.24 1590,1235.24 ; 1590,1340 1590,1235.24 ; 1595,1140 1590,1145 1590,1235.24 ; 1705,4020 1705,3885 1730,3860 1730,3604.53 ; v2(3353.33,2995) 3488.33,3130 3556.95,3130 3820.73,3130 ; v2@3674.13,3220.08 v2(3674.21,3220.16) v2(3720,3220.16) 3815.73,3220.16 ; 3815.41,3220.47 3815.73,3220.16 ; 3820.73,3215.16 3815.81,3220.08 ; 3820.73,3220.16 3815.73,3220.16 ; 3975,3220 3974.92,3220.08 3815.81,3220.08 ; 4065,3220 4065,3345.39 4155,3435.39 4292.64,3435.39 ; 4475,1625 4560,1625 ; 4475,2725 4560,2725 ; 5440,1204.53 5440,1289.55 5610,1459.55 ; 5610,1476.77 5610,1459.55 ; 5610,2261.77 5610,2220 5659.97,2170.03 v1(5825,2170.03) 5914.92,2259.95 6004.05,2259.95 ; 5610,3043.12 5610,3022.36 5677.36,2955 v1(5835,2955) 5915,3045 6002.18,3045 6004.05,3043.12 ; 5610,3826.3 5610,3808.21 5693.21,3725 v1(5835,3725) ; 5760,1263.23 5760,1246 5816,1190 v3(5890,1190) 6098.92,1190 6154.05,1245.14 6154.05,1263.23 6828.23,1263.23 6910,1345 7276,1345 7366,1435 7383.23,1435 ; 5760,2048.23 5760,2031 5782.13,2008.87 5782.13,1992.87 v1(5785,1990) ; 5760,2829.58 5760.42,2830 v1(5790,2830) ; 5760,3612.76 5761.42,3611.34 v1(5790,3611.34) ; v1(5880,1805) 5880.62,1805.62 5943.43,1805.62 5944.05,1806.25 5944.05,1692.32 ; v1(5880,2590) 5880.29,2589.71 5945.66,2589.71 5945.95,2589.42 5945.95,2475.5 ; v1(5880,3375) 5880.25,3374.75 5945.7,3374.75 5945.95,3374.51 5945.95,3259.16 ; v1(5880,3985) 5882.87,3987.87 5882.87,3992.33 5945.95,4055.41 5945.95,4059.34 ; 6004.05,1476.77 6003.58,1477.24 5897.72,1477.24 v1(5810.47,1390) ; 6004.05,3826.3 5926.3,3826.3 v1(5835,3725) ; 6154.05,2829.58 6154.05,2827.98 ; 6154.05,3612.76 6155.47,3611.34 v1(6220,3611.34) ; 6156.85,2825 6154.05,2827.8 6154.05,2827.98 ; 6165.95,3370.57 6165.95,3374.51 ; v1(6220,2830.77) 6156.85,2830.77 6154.05,2827.98 ; v1(6270,3770) 6225,3725 v1(5835,3725) ; v1(6440,3270) 6495,3325 6495,3473.23 ; v1(6495,2390) 6550,2390 6622.72,2390 ; v1(6640,3275) 6640.28,3274.72 6640.28,3170 6640.55,3169.72 ; v1(7025,1520.95) 6305,1520.95 6174.05,1390 v1(5810.47,1390) ; v1(7505,1660) 7505,1659.55 7579.55,1585 7596.77,1585 ; 8495.43,3496.98 8496.94,3498.49 v1(8628.49,3498.49) ; v1(8585,3647.41) 8585.22,3647.2 8708.76,3647.2 8708.98,3646.98 ; 8822.64,2964.88 8822.64,2996.38 8822.64,3105.63 ; 8827.56,2756.22 9043.11,2756.22 v5(9043.11,2935) 9043.11,3110.55 8827.56,3110.55 ; 3815.73,3220.16 3815.81,3220.08 ; 5610,1459.55 5610,1458.68 5678.68,1390 v1(5810.47,1390)
  Top Layer w25: 1724.78,3605.81 1726.06,3604.53 1730,3604.53 1733.94,3604.53 ; 2199.53,1570 2199.53,1470 2210,1470 2300,1380 2300,1140 ; v2(2725,2640) v2(2775,2640) ; 2845,2240.47 v2(2910,2240.47) 3092.76,2240.47 3575,1758.23 3575,1140 ; 3785,3950 3785,4020 ; 3820.73,3039.84 3975,3039.84 4140.31,3039.84 4295,3194.53 4295,3313.94 4287.72,3321.22 4297.56,3321.22 4513.11,3321.22 ; 4292.64,3561.38 4292.64,3670.63 4297.56,3675.55 ; 4475,2875 4560,2875 ; v4(6290.28,1415) v4(6680,1415) ; 7425,3677.28 7375,3677.28 7325,3677.28 7082.28,3677.28 6970,3565 6870.6,3565 6870.6,3850.44 7100,4079.84 7500,4079.84 7930,4079.84 8094.84,3915 8131.34,3915 8215,3831.34 8215,3828.39 ; 8480,4130 8580,4130 8680,4130 8780,4130 ; 2300,1140 2065,1140 1595,1140 1295,1140 1170,1265 1170,1800 1170,2230 1170,3000 1170,3210 1170,3395 1170,3550 1170,3775 1415,4020 1705,4020 2635,4020 2825,4020 ; 2300,1140 3575,1140 ; 2825,4020 2828.33,4016.67 2828.33,3935 3003.33,3935 ; 2825,4020 3000,4020 ; 3000,4020 3003.33,4016.67 3003.33,3935 ; 3000,4020 3175,4020 ; 3003.33,3935 3178.33,3935 ; 3175,4020 3178.33,4016.67 3178.33,3935 ; 3175,4020 3350,4020 ; 3178.33,3935 3353.33,3935 3353.33,4016.67 3350,4020 ; 3350,4020 3785,4020 ; 3575,1140 4000,1140 4245,1140 4390,1140 4475,1225 4560,1310 4560,1625 4560,2725 4560,2875 ; 3785,4020 4185,4020 4300,3905 4300,3677.99 4297.56,3675.55 ; 4297.56,3675.55 4513.11,3675.55 4513.11,3321.22 ; 4513.11,3321.22 4513.11,3221.89 4560,3175 4560,2875
  Top Layer w40: 6488.15,4020 6488.15,3826.85 6520,3795 6520,3686.77 ; 6625,3694.49 6625,3942.06 6685,4002.06 6685,4020
  Bottom Layer w10: 1295,2550 1440,2695 v2(1575,2695) ; v2(1475,2940) 1572.5,3037.5 ; 1485,3935 1485,3605 ; v2(1615,3610) 1490,3610 1485,3605 ; v2(1830,1505) 1830,1565 ; 2199.53,1270 2199.53,1370 ; 2205,1817.83 2293.43,1817.83 2591.06,2115.47 2595,2115.47 ; v2(2301.32,2830) 2199.53,2728.21 2199.53,2469.96 2199.53,2467.44 2298.15,2467.44 2591.06,2174.53 2595,2174.53 2598.94,2174.53 2820,1953.46 2820,1660 3085,1395 v2(3795,1395) ; 2375,3425 2357.72,3425 2412.72,3480 2630,3480 ; v2@2615,2510 2640.47,2510 ; v2(2635,2625) 2640.47,2619.53 2640.47,2510 ; v2(2635,3880) 2630,3875 2630,3480 ; v2(2710,3860) 2895,3860 3534.84,3220.16 v2(3674.21,3220.16) ; v2(2750,3375) 2690,3375 2630,3435 2630,3480 ; v2(2775,2510) 2775,2375.47 ; v2(2910,2590) v2(2910,2240.47) 2775,2375.47 ; v2(2950.17,2034.83) v2(2950.17,2240) ; 3040,1865 v2(3975,1865) ; v2(3353.33,2995) 1615,2995 1572.5,3037.5 ; v2@3383.33,3025 v2(3385,3025) ; v2(3390,2740) 3387.5,2742.5 3387.5,3017.5 v2@3390,3020 ; 3740,3420.47 3740,3245 3720,3225 v2(3720,3220.16) v2(3674.21,3220.16) ; 3740,3479.53 3740,3590 3745,3595 ; 3740,3665 3740,3905 3785,3950 ; v2(3770,1600) 3775,1605 4205,1605 ; v2(3834.53,3325.47) v2(3834.53,3558.58) ; 4475,1325 4475,1335 4205,1605 ; 5235,1970.47 5599.53,1970.47 5685,1885 ; 5390,1675.47 5390.47,1675 5488.23,1675 5488.7,1674.53 ; 5390,1734.53 5393.94,1734.53 5433.94,1774.53 5488.7,1774.53 ; 5440,1137.52 5440.47,1137.99 5440.47,1220 ; 5499.53,1220 5499.53,1324.53 5500,1325 ; 5702.24,1774.53 5719.47,1774.53 ; 5740,1795.06 5740.53,1795.06 ; 5805.47,1674.53 5806.69,1673.31 5810,1670 5809.88,1670 ; 6080,1323.11 6080,1316.22 6110.47,1285.75 6110.47,1220 ; 6080,2011.89 6118.39,2011.89 6293.11,2011.89 ; 6170.16,1748.11 6170.16,1800 6293.11,1922.95 6293.11,1952.83 ; v1(6360,2590) 6455,2590 ; 6455,2030 v1(6495,2030) ; v3(6905,2390) 6910.61,2390 7015,2494.39 7015,2725 7131.54,2841.54 v3(7131.54,2846.77) ; v3(6905,2440) 6953.74,2488.74 6953.74,2718.74 7015,2780 7015,2781.26 7145,2911.26 v3(7145,2911.66) ; v3(6905,2490) 6905,2770 7110,2975 v3(7186.54,2975) ; v1(6950,3130) 6954.05,3130 7060,3024.05 ; v3(7090,1605) 7090,1607.03 7500.94,2017.97 v3(7500.94,2020) ; 7255,2195.47 7258.94,2195.47 7314.41,2140 ; 7255,2254.53 7329.53,2254.53 7390,2315 7390,2325 ; 7385.24,2350.24 7390,2345.47 ; 7390,2335 7390,2345.47 ; v1(7390,2565) 7390,2813.19 7390,2900 7390.47,2900.47 7390.47,3025 ; 7405.47,2330 7390,2345.47 ; v1(7440,2525) 7440,2404.68 7390,2354.68 7390,2345.47 ; 7449.53,3030 7449.53,3072.44 7527.09,3150 ; v1(7450,2640) 7532.5,2640 7535,2637.5 ; v3(7475,1855) v3(7555,1935) ; v1(7505,1660) 7630,1535 7769.53,1535 7770,1535.47 ; v1(7670,2025) 7769.53,1925.47 7769.53,1770.47 7770,1770 ; v1(7695,2455) 7695,2570 7885,2760 v1(8160,2760) 8780,2140 8880,2140 ; 7770,1594.53 7770,1700 ; 8260,2935 8260,2996.38 v1(8260,3385) ; 8630,1415 8630,1555 ; 8630,1614.06 8630,1720 ; v1(8965,2505) 9095,2505 9100,2500 ; 1485,3605 1485,3125 1572.5,3037.5 ; 2640.47,2510 2775,2375.47 ; v2(3674.21,3220.16) 3791.2,3103.17 4091.83,3103.17 4205,2990 v2(4205,2625) 4205,1605
  Bottom Layer w15: 4850,2364.53 4850.47,2365 ; 5235,2029.53 5235,2125 ; v1(5400,2365) 4850.48,2365 5475,2980 v1(5475,3725) 5475,3975 5670,4170 v1(6167.36,4170) ; 6118.39,2011.89 6310,2203.5 6310,3215 6440,3345 v1(6645,3345) 6809.53,3509.53 6865,3509.53 ; v1(6354.96,1694.96) 6450.04,1694.96 6455,1690 ; 6455,1695 7065,1695 7535,2165 v1(7810,2165) 7885,2240 8360,2240 8630,1970 8630,1790 ; 6685,1944.15 6880,1944.15 6980,1944.15 ; 6685,2091.79 6685,2200.47 ; 6685,2259.53 6688.94,2259.53 6779.41,2350 v3(7130,2350) ; v3(6778.78,2780) 6815.95,2780 7060,3024.05 7565.95,3530 v1(7675,3530) 7902.59,3530 v1(8020,3647.41) ; 6880,2091.79 6880,2200.47 ; 6880,2259.53 7114.53,2259.53 7165,2310 v3(7165,2390) ; 6950,1137.52 6953.74,1141.26 6953.74,1235 7053.74,1235 ; v3(6980,2203.46) 6980,1944.15 ; 7055,1137.52 7053.74,1138.78 7053.74,1235 ; 7155,1137.52 7153.74,1138.78 7153.74,1235 ; 7255,1137.52 7253.74,1138.78 7253.74,1235 7153.74,1235 ; 7314.41,2140 7610,2435.59 v1(7610,2475) 7610,2535 7535,2610 7535,2637.5 v1(7535,2725) v1(7755,2725) ; 7315,2140 7119.15,1944.15 6980,1944.15 ; 7865,1137.52 7863.74,1138.78 7863.74,1235 7963.74,1235 ; 7960,1137.52 7963.74,1141.26 7963.74,1235 ; 8063.74,1137.52 8063.74,1235 ; 8165,1137.52 8163.74,1138.78 8163.74,1235 8063.74,1235 ; 7053.74,1235 7153.74,1235 ; 7963.74,1235 8063.74,1235
  Bottom Layer w20: 4855,2195 5235,2195 ; 5685.02,1774.53 5702.24,1774.53 ; 5702.24,1324.06 5702.24,1624.53 5684.15,1624.53 5620,1688.68 5620,1820 5685,1885 5785,1985 v1(5785,1990) 5785,2825 v1(5790,2830) v1(5790,3611.34) 5790,3975 5785,3980 5850,4045 5990,4045 6220,3815 6220,3724.84 ; v1(5810.47,1390) 5806.69,1393.78 5806.69,1673.31 5806.69,1693.31 5722.47,1777.53 5740,1795.06 5825,1880.06 v1(5825,2170.03) v1(5835,2955) v1(5835,3725) ; v1(5880,3985) v1(5880,3375) v1(5880,2590) v1(5880,1805) 6080,1805 ; v3(5890,1190) 5890,1324.06 ; 6080,1748.11 6080,1755 ; v1(6220,2165) v1(6220,2830.77) v1(6220,3611.34) 6220,3724.84 ; v1(6270,3770) 8530,3770 8628.49,3671.51 v1(8628.49,3498.49) ; 6455,1137.52 6455,1690 6455,1695 6455,2030 6455,2390 ; v1(6495,2390) 6455,2390 ; v3(6778.78,2780) 6690,2780 6540,2630 6540,1905 6605,1840 7080,1840 v1(7695,2455) ; 6865,3280 6862.5,3277.5 6642.5,3277.5 v1(6640,3275) 6635,3270 v1(6440,3270) 6360,3190 v1(6360,3045) 6455,2950 6455,2590 6455,2390 ; 6865,3350 6865,3450.47 ; v1(7025,1520.95) 7245.95,1520.95 7385,1660 v1(7505,1660) ; v1(7535,2725) 7742.09,2932.09 ; v1(8585,3647.41) 8531.45,3700.97 6220,3724.84 ; v1(8920,3340) 9095,3340 9100,3345
  Bottom Layer w25: 1290,1440 1390,1340 1490,1340 1490,1440 1615,1565 1830,1565 1865,1565 ; v2(1603.78,2086.22) 1605,2085 1865,2085 ; 2199.53,1370 2004.53,1565 1865,1565 ; 2199.53,1470 2199.53,1570 2199.53,1812.36 2205,1817.83 ; v2(2910,2240.47) 2910.24,2240.24 2949.93,2240.24 v2(2950.17,2240) ; v2(3040,1665) 3040,1865 3040,2598.33 2998.33,2640 ; v2@3383.33,3025 v2(3353.33,2995) 2998.33,2640 ; 4993.07,1326.5 4993.07,1375.71 5092.36,1475 5495,1475 5570,1550 5570,1685 5530.47,1724.53 5488.7,1724.53 ; 5500,1325 5500.94,1324.06 5702.24,1324.06 5890,1324.06 5988.9,1324.06 5989.84,1323.11 5989.84,1748.11 ; 5595,1137.52 5595.47,1137.99 ; 6080,1323.11 6080,1586.89 6118.39,1586.89 v4(6290.28,1415) ; 6080,1755 6080,1805 6080,2011.89 ; 6170,1137.52 6165.16,1142.36 6170.16,1147.36 6170.16,1323.11 6293.11,1323.11 6375,1405 6375,1536.38 6170.16,1741.22 6170.16,1748.11 ; v4(6680,1415) 8630,1415 8690,1415 8770,1495 8770,1930 8880,2040 ; v1(7670,2025) v1(7810,2165) ; 7930,4079.84 7999.84,4010 8360,4010 8480,4130 ; 8880,1940 8880,1850 8960,1770 9100,1770 ; 8980,2040 8880,2040 ; 8980,2240 8880,2140 8880,2040 ; 1865,1565 1865,2085 ; 1865,2085 1865,2480 2290,2905 2600,2905 2725,2780 v2(2725,2640) v2(2775,2640) 2998.33,2640
  Bottom Layer w35: 4850,2364.53 4850.14,2359.86 4855,2195 4855,2095 4855,1995 4855,1895 4855,1513.78 4993.07,1375.71 ; 4993.07,1326.5 4993.07,1225 5017.82,1200.25 5018.92,1200.25 5081.65,1137.52 5130.87,1137.52 5440,1137.52 5595,1137.52 6170,1137.52 6455,1137.52 6950,1137.52 7055,1137.52 7155,1137.52 7255,1137.52 7865,1137.52 7960,1137.52 8063.74,1137.52 ; v1(7458.75,3183.75) 7493.34,3183.75 7527.09,3150 v3(7610,3067.09) 7742.09,2935 8260,2935 v5(9043.11,2935) 9100,2935 ; 8066.26,1137.52 8165,1137.52 8782.52,1137.52 9100,1455 9100,1770 9100,2500 9100,2935 ; 8780,4130 8985,4130 9100,4015 9100,3345 9100,2935
  Bottom Layer w40: 5229.29,1326.5 5230.79,1325 5405,1325

## Keep-outs
Keep-Out Layer:
  lines w10: 1090,1070 1090,4075 4605,4075 4605,1070 1090,1070 ; 4690,1070 9165,1070 9165,4320 4690,4320 4690,1070

## Other copper
Top Layer:
  region: 6585,3715 6585,3660.55 6655,3660.55 6655,3715
  region: 6485,3715 6485,3660 6555,3660 6555,3715

## Text inside footprints (layer, text, board x,y; h text height)
IC2: Top Overlay "8" at 1230,1360 h50 r180; Top Overlay "7" at 1230,1460 h50 r180; Top Overlay "1" at 1670,1460 h50 r180; Top Overlay "2" at 1690,1360 h50 r180
IC9: Top Overlay "8" at 8900,2300 h50 r90; Top Overlay "7" at 9000,2300 h50 r90; Top Overlay "1" at 9000,1860 h50 r90; Top Overlay "2" at 8900,1840 h50 r90